# Altium PCB SmartHaloV1_ASCII.PcbDoc (part 1 of 4) (continued)
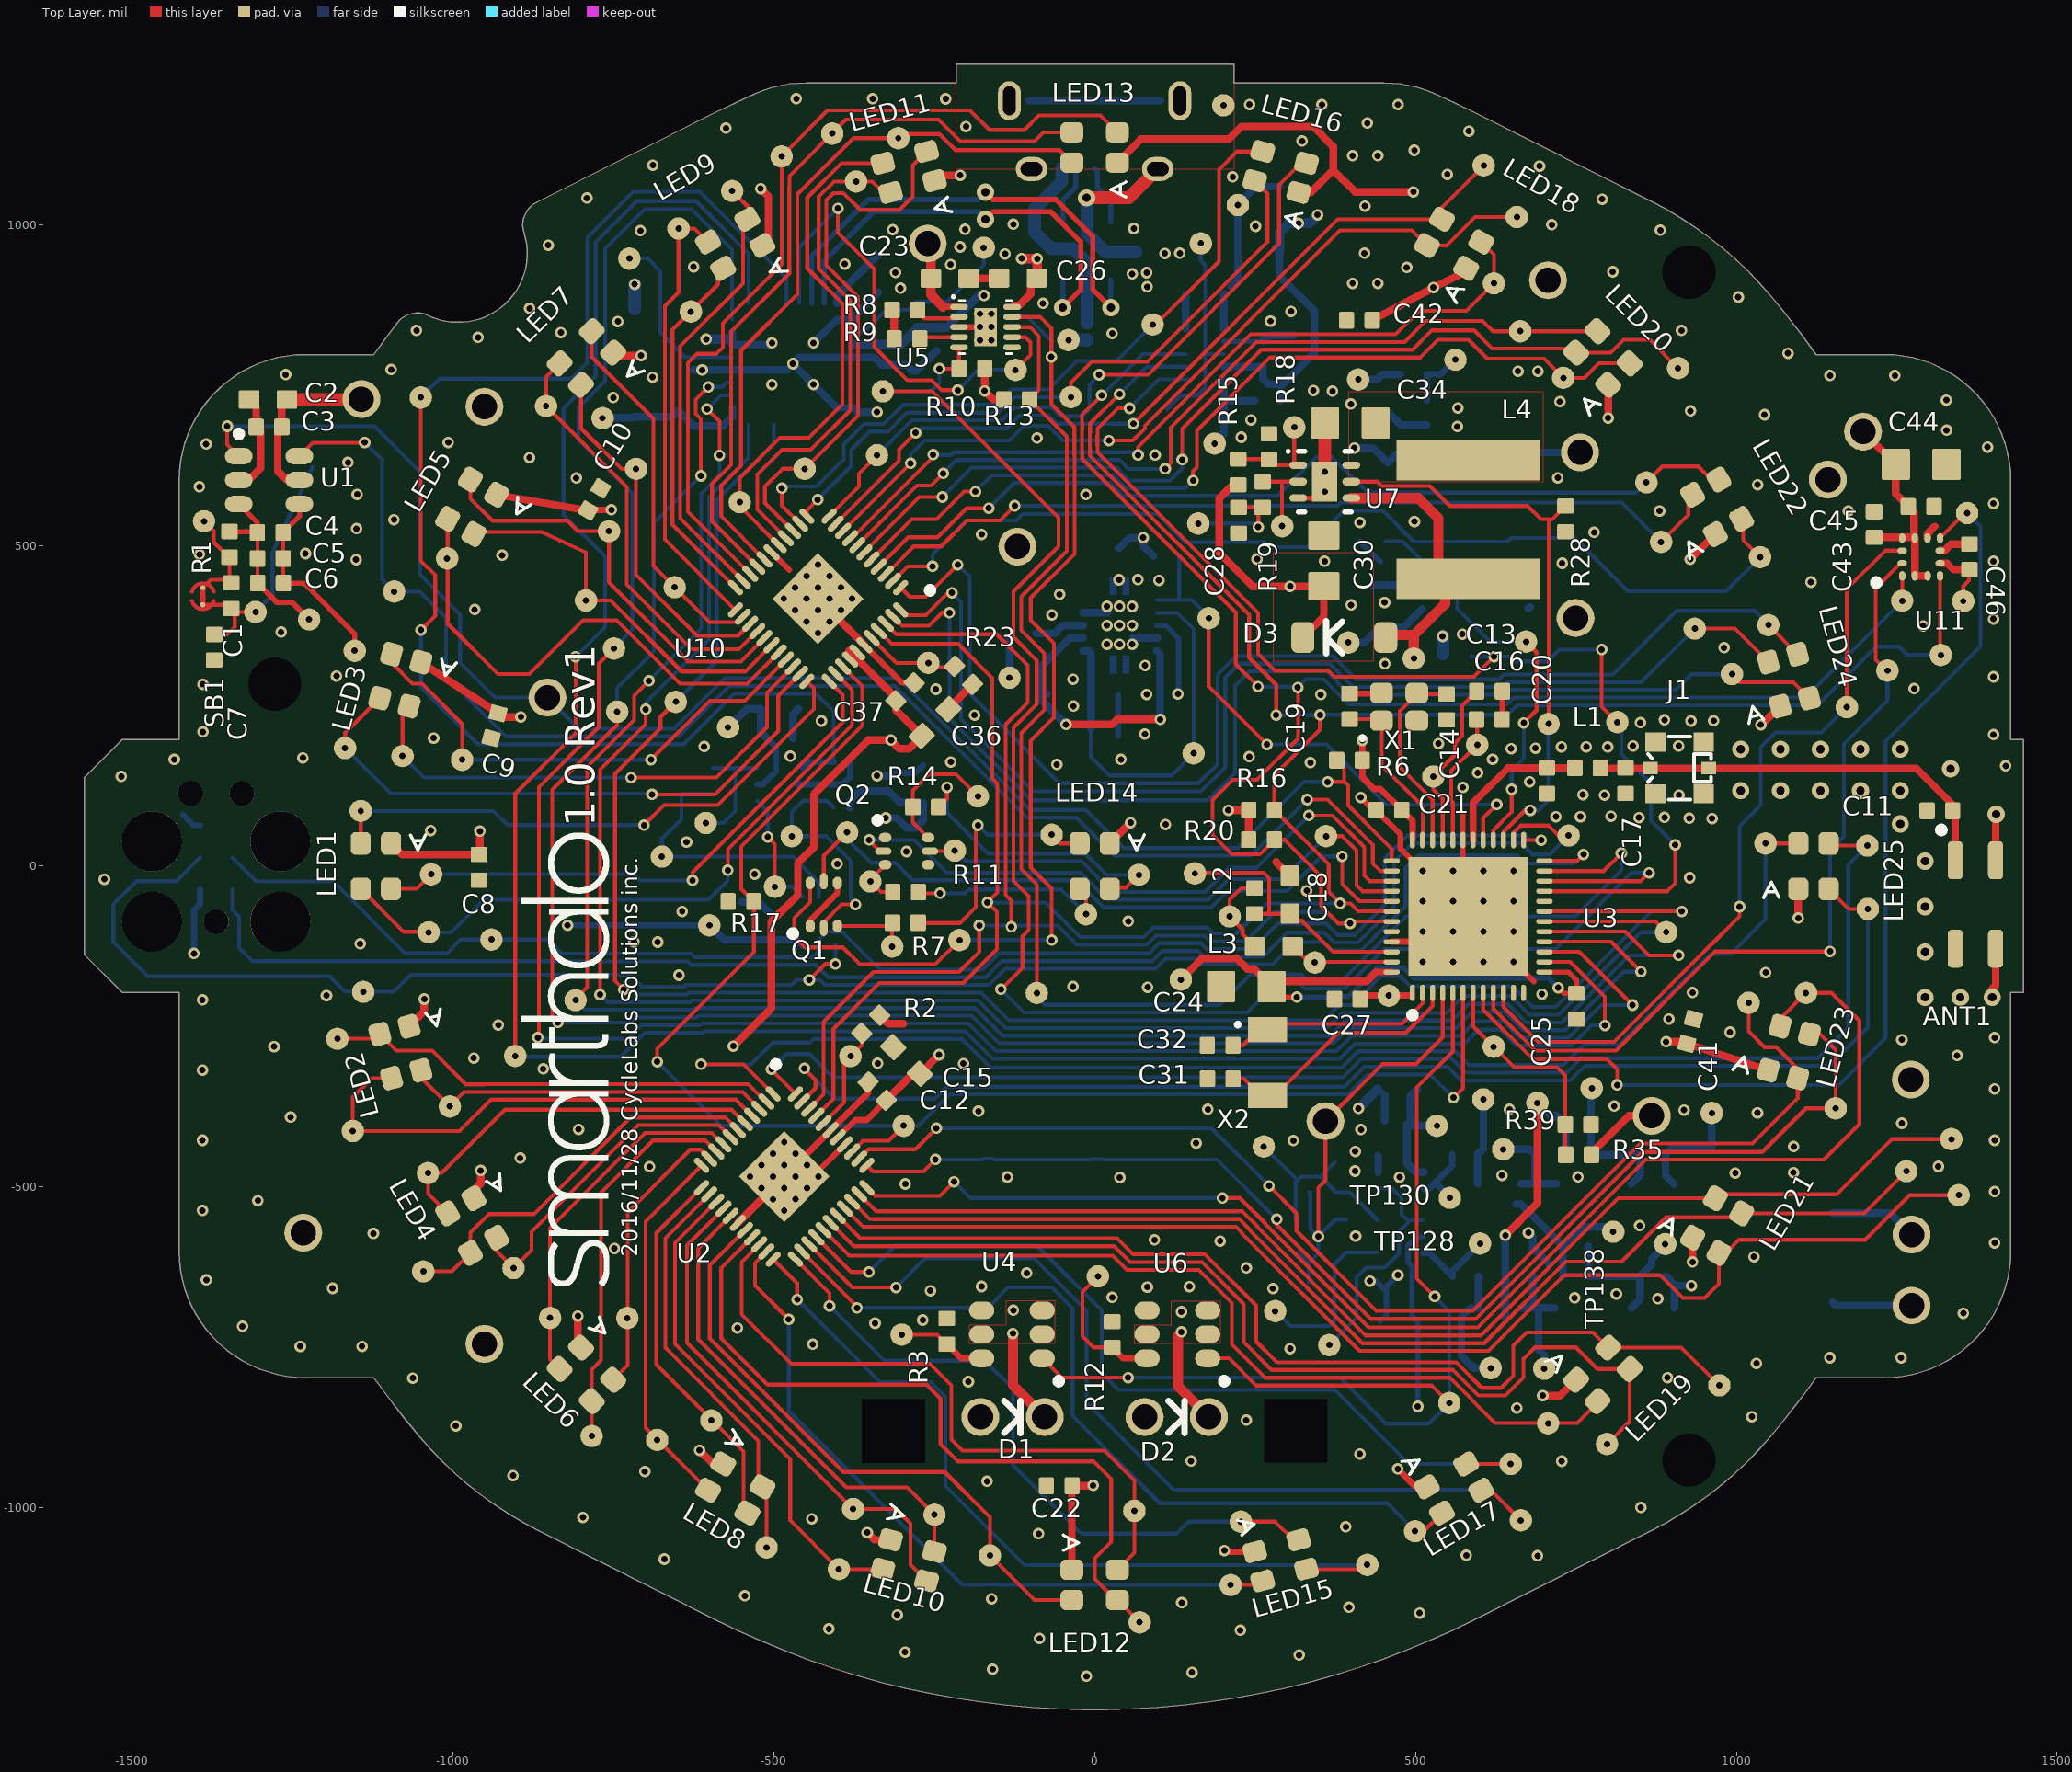
[diagram p0: Top Layer view]
## Design rules (kind name [scope] priority, off if disabled: settings) (continued)
FabricationTestpoint FabricationTestpoint_ShortComponents [((IsPad And (OnTopLayer Or OnBottomLayer)) Or (IsVia) Or (IsPad And OnMultiLayer)) And (IsComponent And (Height < 150))] p2: side=2 testpointundercomponent=TRUE minsize=35 maxsize=59.06 preferedsize=35 minholesize=0 maxholesize=39.37 preferedholesize=10 testpointgrid=1 allowsidebottom=TRUE usegrid=FALSE gridtolerance=0.01 minspacing=83 compbodyclearance=40
FabricationTestpoint FabricationTestpoint_TallComponents [(IsPad And (OnTopLayer Or OnBottomLayer)) Or (IsVia) Or (IsPad And OnMultiLayer)] p3: side=2 testpointundercomponent=TRUE minsize=35 maxsize=59.06 preferedsize=35 minholesize=0 maxholesize=39.37 preferedholesize=10 testpointgrid=1 allowsidebottom=TRUE usegrid=FALSE gridoriginx=2810.98 gridoriginy=2760.98 gridtolerance=0.01 minspacing=83 compbodyclearance=55
FanoutControl Fanout_BGA [All] p0 off: scope1count=1 scope1_0_kind=Board scope1_0_value=Board scope2count=1 scope2_0_kind=Board scope2_0_value=Board commentlength=69 // Protel DXP Scope 1 Expression Was: IsBGA   Fanout_BGA (Default Rule)
FanoutControl Fanout_LCC [All] p0 off: scope1count=1 scope1_0_kind=Board scope1_0_value=Board scope2count=1 scope2_0_kind=Board scope2_0_value=Board commentlength=69 // Protel DXP Scope 1 Expression Was: IsLCC   Fanout_LCC (Default Rule)
FanoutControl Fanout_SOIC [All] p0 off: scope1count=1 scope1_0_kind=Board scope1_0_value=Board scope2count=1 scope2_0_kind=Board scope2_0_value=Board commentlength=71 // Protel DXP Scope 1 Expression Was: IsSOIC   Fanout_SOIC (Default Rule)
FanoutControl Fanout_Small [All] p0 off: scope1count=1 scope1_0_kind=Board scope1_0_value=Board scope2count=1 scope2_0_kind=Board scope2_0_value=Board commentlength=84 // Protel DXP Scope 1 Expression Was: (CompPinCount < 5)   Fanout_Small (Default Rule)
FanoutControl Fanout_Default [All] p0: scope1count=1 scope1_0_kind=Board scope1_0_value=Board scope2count=1 scope2_0_kind=Board scope2_0_value=Board commentlength=30 // Fanout_Default (Default Rule)
FanoutControl Fanout_LCC [IsLCC] p1: bgadir=Out bgaviamode=Centered fanoutstyle=Auto fanoutdirection=Alternating viagrid=1 // Fanout_LCC (Default Rule)
FanoutControl Fanout_BGA [IsBGA] p2: bgadir=Out bgaviamode=Centered fanoutstyle=Auto fanoutdirection=Alternating viagrid=1 // Fanout_BGA (Default Rule)
FanoutControl Fanout_Small [(CompPinCount < 5)] p3: bgadir=Out bgaviamode=Centered fanoutstyle=Auto fanoutdirection=OutThenIn viagrid=1 // Fanout_Small (Default Rule)
FanoutControl Fanout_SOIC [IsSOIC] p4: bgadir=Out bgaviamode=Centered fanoutstyle=Auto fanoutdirection=Alternating viagrid=1 // Fanout_SOIC (Default Rule)
Height HeightBottom [All] p0 off: scope1count=1 scope1_0_kind=Board scope1_0_value=Board scope2count=1 scope2_0_kind=Board scope2_0_value=Board commentlength=65 // Protel DXP Scope 1 Expression Was: TouchesRoom('BatteryRoom')
Height HeightTop [All] p0 off: scope1count=1 scope1_0_kind=Board scope1_0_value=Board scope2count=1 scope2_0_kind=Board scope2_0_value=Board commentlength=44 // Protel DXP Scope 1 Expression Was: OnTop
Height HeightTop [OnTop] p1: minheight=0 maxheight=84.25 prefheight=78.74
Height HeightBottom [TouchesRoom('BatteryRoom')] p2: minheight=0 maxheight=78.74 prefheight=39.37
HoleSize [All] p0: scope1count=1 scope1_0_kind=Board scope1_0_value=Board scope2count=1 scope2_0_kind=Board scope2_0_value=Board commentlength=0 absolutevalues=TRUE maxlimit=100 minlimit=10 maxpercent=80.000 minpercent=20.000
HoleSize [All] p1: absolutevalues=TRUE maxlimit=100 minlimit=10 maxpercent=80.000 minpercent=20.000
HoleToHoleClearance [All] p0: scope1count=1 scope1_0_kind=Board scope1_0_value=Board scope2count=1 scope2_0_kind=Board scope2_0_value=Board commentlength=0
HoleToHoleClearance [All] p1: gap=6 allowstackedmicrovias=TRUE
LayerPairs [All] p0: scope1count=1 scope1_0_kind=Board scope1_0_value=Board scope2count=1 scope2_0_kind=Board scope2_0_value=Board commentlength=0 enforce=TRUE
MinimumAnnularRing [All] p0: scope1count=1 scope1_0_kind=Board scope1_0_value=Board scope2count=1 scope2_0_kind=Board scope2_0_value=Board commentlength=0 minimumring=4
MinimumAnnularRing [All] p1: minimumring=4
MinimumSolderMaskSliver MinimumSolderMaskSliver_QFN_DFN_2 [All] p0 off: scope1count=1 scope1_0_kind=Board scope1_0_value=Board scope2count=1 scope2_0_kind=Board scope2_0_value=Board commentlength=73 // Protel DXP Scope 2 Expression Was: IsPad And (HasFootprint('QFN-44'))
MinimumSolderMaskSliver [All] p0: scope1count=1 scope1_0_kind=Board scope1_0_value=Board scope2count=1 scope2_0_kind=Board scope2_0_value=Board commentlength=0
MinimumSolderMaskSliver MinimumSolderMaskSliver_QFN_DFN [All] p0 off: scope1count=1 scope1_0_kind=Board scope1_0_value=Board scope2count=1 scope2_0_kind=Board scope2_0_value=Board commentlength=109 // Protel DXP Scope 2 Expression Was: IsVia And (HasFootprint('DSQ10-1500X900TP') Or HasFootprint('QFN-44'))
MinimumSolderMaskSliver MinimumSolderMaskSliver_QFN_DFN_1 [All] p0 off: scope1count=1 scope1_0_kind=Board scope1_0_value=Board scope2count=1 scope2_0_kind=Board scope2_0_value=Board commentlength=270 // Protel DXP Scope 2 Expression Was: HasFootprint('QFN40P600X600X90-48N') Or HasFootprint('DSQ10-1500X900TP') Or HasFootprint('DRC10-2400X1650TP') Or HasFootprint('DRV6-1600X1000TP') Or HasFootprint('WDFN8') Or HasFootprint('59453061110ECHLF') Or HasFootprint('DFN10')
MinimumSolderMaskSliver MinimumSolderMaskSliver_QFN_DFN [IsVia And (HasFootprint('DSQ10-1500X900TP') Or HasFootprint('QFN-44')) vs IsVia And (HasFootprint('DSQ10-1500X900TP') Or HasFootprint('QFN-44'))] p1: minsoldermaskwidth=0
MinimumSolderMaskSliver MinimumSolderMaskSliver_QFN_DFN_1 [HasFootprint('QFN40P600X600X90-48N') Or HasFootprint('DSQ10-1500X900TP') Or HasFootprint('DRC10-2400X1650TP') Or HasFootprint('DRV6-1600X1000TP') Or HasFootprint('WDFN8') Or HasFootprint('59453061110ECHLF') Or HasFootprint('DFN10') vs HasFootprint('QFN40P600X600X90-48N') Or HasFootprint('DSQ10-1500X900TP') Or HasFootprint('DRC10-2400X1650TP') Or HasFootprint('DRV6-1600X1000TP') Or HasFootprint('WDFN8') Or HasFootprint('59453061110ECHLF') Or HasFootprint('DFN10')] p2: minsoldermaskwidth=0
MinimumSolderMaskSliver MinimumSolderMaskSliver_QFN_DFN_2 [IsPad And (HasFootprint('QFN-44')) vs IsPad And (HasFootprint('QFN-44'))] p3: minsoldermaskwidth=0
MinimumSolderMaskSliver [All] p4: minsoldermaskwidth=4
NetAntennae [All] p0 off: scope1count=1 scope1_0_kind=Board scope1_0_value=Board scope2count=1 scope2_0_kind=Board scope2_0_value=Board commentlength=173 // Protel DXP Scope 1 Expression Was: Not (IsVia and (InNet('VLED') Or InNet('VBZ') Or InNet('S2V8') Or InNet('VDD_NRF') Or InNet('GND') Or InNet('VBAT') Or InNet('VUSB')))
NetAntennae [Not (IsVia and (InNet('VLED') Or InNet('VBZ') Or InNet('S2V8') Or InNet('VDD_NRF') Or InNet('GND') Or InNet('VBAT') Or InNet('VUSB')))] p1: netantennaetolerance=0
PasteMaskExpansion [All] p0: scope1count=1 scope1_0_kind=Board scope1_0_value=Board scope2count=1 scope2_0_kind=Board scope2_0_value=Board commentlength=0 expansion=0
PlaneClearance [All] p0: scope1count=1 scope1_0_kind=Board scope1_0_value=Board scope2count=1 scope2_0_kind=Board scope2_0_value=Board commentlength=0 clearance=20
PlaneConnect [All] p0: scope1count=1 scope1_0_kind=Board scope1_0_value=Board scope2count=1 scope2_0_kind=Board scope2_0_value=Board commentlength=0 planeconnectstyle=Relief reliefexpansion=20 reliefentries=4 reliefconductorwidth=10 reliefairgap=10
PolygonConnect PolygonConnect_Direct [All] p0 off: scope1count=1 scope1_0_kind=Board scope1_0_value=Board scope2count=1 scope2_0_kind=Board scope2_0_value=Board commentlength=406 connectstyle=Direct reliefconductorwidth=10 reliefentries=4 polygonreliefangle="90 Angle" // Protel DXP Scope 1 Expression Was: (IsVia And InNet('GND')) Or (IsVia And InNet('VLED')) Or (InNet('VBAT') Or InNet('VUSB') Or InNet('VDD_NRF') Or InNet('VBZ') Or InNet('S2V8') Or InNet('NetD2_2') Or InNet('NetD1_2')) Or HasFootprint('QFN-44') Or HasFootprint('COAXIAL-SWF') Or InNet('BZ_OUT_P') Or InNet('BZ_OUT_N') Or InNet('NetC62_1') Or InNet('NetC63_1') Or InComponent('NT*') Or InComponent('TP*')
PolygonConnect [All] p0: scope1count=1 scope1_0_kind=Board scope1_0_value=Board scope2count=1 scope2_0_kind=Board scope2_0_value=Board commentlength=0 connectstyle=Relief reliefconductorwidth=10 reliefentries=4 polygonreliefangle="90 Angle"
PolygonConnect PolygonConnect_Direct [(IsVia And InNet('GND')) Or (IsVia And InNet('VLED')) Or (InNet('VBAT') Or InNet('VUSB') Or InNet('VDD_NRF') Or InNet('VBZ') Or InNet('S2V8') Or InNet('NetD2_2') Or InNet('NetD1_2')) Or HasFootprint('QFN-44') Or HasFootprint('COAXIAL-SWF') Or InNet('BZ_OUT_P') Or InNet('BZ_OUT_N') Or InNet('NetC62_1') Or InNet('NetC63_1') Or InComponent('NT*') Or InComponent('TP*')] p1: connectstyle=Direct reliefconductorwidth=10 reliefentries=4 polygonreliefangle="90 Angle" airgapwidth=10
PolygonConnect [All] p2: connectstyle=Relief reliefconductorwidth=10 reliefentries=4 polygonreliefangle="90 Angle" airgapwidth=10
RoomDefinition TopCentralLed [All] p0 off: scope1count=1 scope1_0_kind=Board scope1_0_value=Board scope2count=1 scope2_0_kind=Board scope2_0_value=Board commentlength=100 region_x1=25944309 region_y1=25444422 region_x2=30275017 region_y2=29775130 confinementstyle=ConfineOut // Protel DXP Scope 1 Expression Was: OnTop And Not InComponent('LED14') And Not InComponent('TP*')
RoomDefinition TopComponents [All] p0 off: scope1count=1 scope1_0_kind=Board scope1_0_value=Board scope2count=1 scope2_0_kind=Board scope2_0_value=Board commentlength=1004 region_x1=18168718 region_y1=17668831 region_x2=38050608 region_y2=37550721 confinementstyle=ConfineIn // Protel DXP Scope 1 Expression Was: OnTop And Not(InComponent('LED2') Or InComponent('LED3') Or InComponent('LED4') Or InComponent('LED5') Or InComponent('LED6') Or InComponent('LED7') Or InComponent('LED8') Or InComponent('LED9') Or InComponent('LED10') Or InComponent('LED11') Or InComponent('LED12') Or InComponent('LED13') Or InComponent('LED1') Or InComponent('LED15') Or InComponent('LED16') Or InComponent('LED17') Or InComponent('LED18') Or InComponent('LED19') Or InComponent('LED20') Or InComponent('LED21') Or InComponent('LED22') Or InComponent('LED23') Or InComponent('LED24') Or InComponent('LED25') Or InComponent('SB*') Or InComponent('TP*')Or InComponent('ANT1') Or InComponent('C7') Or InComponent('C6') Or InComponent('C5') Or InComponent('C4') Or InComponent('C46') Or InComponent('C43') Or InComponent('C45') Or InComponent('C44') Or InComponent('R1') Or InComponent('U1') Or InComponent('U11') Or InComponent('C1') Or InComponent('C2') Or InComponent('C3') Or InComponent('C11'))
RoomDefinition BatteryRoom [All] p0 off: scope1count=1 scope1_0_kind=Board scope1_0_value=Board scope2count=1 scope2_0_kind=Board scope2_0_value=Board commentlength=44 region_x1=17484843 region_y1=19437843 region_x2=42694143 region_y2=36955843 confinementstyle=ConfineOut // Protel DXP Scope 1 Expression Was: False
RoomDefinition TopCentralLed [OnTop And Not InComponent('LED14') And Not InComponent('TP*')] p1: confinementstyle=ConfineOut formatcopy=TRUE lockcomponents=FALSE outline -216.55,-0.01 ccw(c-0.02,-0.01) -0.02,-216.54 ccw(c-0.02,-0.01) 216.52,-0.01 ccw(c-0.02,-0.01) -0.02,216.53 ccw(c-0.02,-0.01)
RoomDefinition TopComponents [OnTop And Not(InComponent('LED2') Or InComponent('LED3') Or InComponent('LED4') Or InComponent('LED5') Or InComponent('LED6') Or InComponent('LED7') Or InComponent('LED8') Or InComponent('LED9') Or InComponent('LED10') Or InComponent('LED11') Or InComponent('LED12') Or InComponent('LED13') Or InComponent('LED1') Or InComponent('LED15') Or InComponent('LED16') Or InComponent('LED17') Or InComponent('LED18') Or InComponent('LED19') Or InComponent('LED20') Or InComponent('LED21') Or InComponent('LED22') Or InComponent('LED23') Or InComponent('LED24') Or InComponent('LED25') Or InComponent('SB*') Or InComponent('TP*')Or InComponent('ANT1') Or InComponent('C7') Or InComponent('C6') Or InComponent('C5') Or InComponent('C4') Or InComponent('C46') Or InComponent('C43') Or InComponent('C45') Or InComponent('C44') Or InComponent('R1') Or InComponent('U1') Or InComponent('U11') Or InComponent('C1') Or InComponent('C2') Or InComponent('C3') Or InComponent('C11'))] p2: confinementstyle=ConfineIn formatcopy=TRUE lockcomponents=FALSE outline -994.11,-0.01 ccw(c-0.02,-0.01) -0.02,-994.1 ccw(c-0.02,-0.01) 994.08,-0.01 ccw(c-0.02,-0.01) -0.02,994.09 ccw(c-0.02,-0.01)
RoomDefinition BatteryRoom [False] p3: confinementstyle=ConfineOut formatcopy=TRUE lockcomponents=FALSE outline -1062.5,-817.2 -1062.5,934.6 1458.43,934.6 1458.43,-817.2
RoutingCorners [All] p0: scope1count=1 scope1_0_kind=Board scope1_0_value=Board scope2count=1 scope2_0_kind=Board scope2_0_value=Board commentlength=0 cornerstyle=45-Degree minsetback=100 maxsetback=100
RoutingLayers [All] p0: scope1count=1 scope1_0_kind=Board scope1_0_value=Board scope2count=1 scope2_0_kind=Board scope2_0_value=Board commentlength=0 top layer=Automatic mid layer 1="Not Used" mid layer 2="Not Used" bottom layer=Automatic
RoutingPriority [All] p0: scope1count=1 scope1_0_kind=Board scope1_0_value=Board scope2count=1 scope2_0_kind=Board scope2_0_value=Board commentlength=0
RoutingTopology [All] p0: scope1count=1 scope1_0_kind=Board scope1_0_value=Board scope2count=1 scope2_0_kind=Board scope2_0_value=Board commentlength=0 topology=Shortest
RoutingVias [All] p0: scope1count=1 scope1_0_kind=Board scope1_0_value=Board scope2count=1 scope2_0_kind=Board scope2_0_value=Board commentlength=0 holewidth=13 width=27 viastyle="Through Hole" minholewidth=10 minwidth=18 maxholewidth=28 maxwidth=50
RoutingVias [All] p1: holewidth=13 width=27 viastyle="Through Hole" minholewidth=10 minwidth=18 maxholewidth=28 maxwidth=50
ShortCircuit [All] p0: scope1count=1 scope1_0_kind=Board scope1_0_value=Board scope2count=1 scope2_0_kind=Board scope2_0_value=Board commentlength=0 allowed=FALSE
SilkToBoardRegionClearance SilkToBoardRegionClearance_1 [All] p0: scope1count=1 scope1_0_kind=Board scope1_0_value=Board scope2count=1 scope2_0_kind=Board scope2_0_value=Board commentlength=0
SilkToBoardRegionClearance [All] p0: scope1count=1 scope1_0_kind=Board scope1_0_value=Board scope2count=1 scope2_0_kind=Board scope2_0_value=Board commentlength=0
SilkToBoardRegionClearance SilkToBoardRegionClearance_1 [All] p2:
SilkToSilkClearance [All] p0: scope1count=1 scope1_0_kind=Board scope1_0_value=Board scope2count=1 scope2_0_kind=Board scope2_0_value=Board commentlength=0
SilkToSolderMaskClearance [All] p0 off: scope1count=1 scope1_0_kind=Board scope1_0_value=Board scope2count=1 scope2_0_kind=Board scope2_0_value=Board commentlength=44 // Protel DXP Scope 1 Expression Was: IsPad
SolderMaskExpansion [All] p0: scope1count=1 scope1_0_kind=Board scope1_0_value=Board scope2count=1 scope2_0_kind=Board scope2_0_value=Board commentlength=0 expansion=0
SolderMaskExpansion [All] p1: expansion=0
UnRoutedNet [All] p0: scope1count=1 scope1_0_kind=Board scope1_0_value=Board scope2count=1 scope2_0_kind=Board scope2_0_value=Board commentlength=0
UnpouredPolygon [All] p0: scope1count=1 scope1_0_kind=Board scope1_0_value=Board scope2count=1 scope2_0_kind=Board scope2_0_value=Board commentlength=0
Width Width_RF [All] p0 off: scope1count=1 scope1_0_kind=Board scope1_0_value=Board scope2count=1 scope2_0_kind=Board scope2_0_value=Board commentlength=87 maxlimit=20 minlimit=10.43 preferedwidth=15 // Protel DXP Scope 1 Expression Was: InNet('ANT') Or InNet('RF') Or InNet('NetC17_2')
Width Width_Power [All] p0 off: scope1count=1 scope1_0_kind=Board scope1_0_value=Board scope2count=1 scope2_0_kind=Board scope2_0_value=Board commentlength=259 maxlimit=50 minlimit=8 preferedwidth=12 // Protel DXP Scope 1 Expression Was: InNet('VBAT') Or InNet('VLED') Or InNet('VBZ') Or InNet('VDD_NRF') Or InNet('S2V8') Or InNet('AVDD') Or InNet('GND') Or InNet('AGND') Or InNet('PGND') Or InNet('DGND') Or InNet('VUSB') Or InNet('VBUS') Or InNet('USBGND')
Width [All] p0: scope1count=1 scope1_0_kind=Board scope1_0_value=Board scope2count=1 scope2_0_kind=Board scope2_0_value=Board commentlength=0 maxlimit=16 minlimit=6 preferedwidth=6
Width Width_RF [InNet('ANT') Or InNet('RF') Or InNet('NetC17_2')] p1 off: maxlimit=20 minlimit=10.43 preferedwidth=15 toplayer_maxwidth=10.43 toplayer_prefwidth=10.43 midlayer1_minwidth=12 midlayer2_minwidth=12 bottomlayer_maxwidth=10.43 bottomlayer_prefwidth=10.43 impedancedriven=TRUE minimp=0.000000 maximp=500.000000 favimp=200.000000
Width Width_Power [InNet('VBAT') Or InNet('VLED') Or InNet('VBZ') Or InNet('VDD_NRF') Or InNet('S2V8') Or InNet('AVDD') Or InNet('GND') Or InNet('AGND') Or InNet('PGND') Or InNet('DGND') Or InNet('VUSB') Or InNet('VBUS') Or InNet('USBGND')] p2: maxlimit=50 minlimit=8 preferedwidth=12
Width [All] p3: maxlimit=16 minlimit=6 preferedwidth=6
15 further rules are at their usual default settings.

## Classes and differential pairs
component class U_6_MISC: C56 C57 C58 C59 C60 C64 C65 C66 C67 C68 C69 C70 C? J5 NT1 NT6 Q1 R26 R32 R33 R36 R37 TP86 TP114 TP148 TP151 TP152 TP153 TP154 TP155 TP176 U16 U17 U18 U19 U20
component class U_4_LEDDRIVERS: C12 C15 C36 C37 D1 D2 Q2 R2 R3 R7 R11 R12 R14 R23 TP96 TP97 TP98 TP107 TP108 TP109 TP110 TP112 TP113 TP156 TP157 U2 U4 U6 U10
component class U_7_ALARM: C29 C33 C35 C38 C39 C40 C62 C63 C71 C? D4 J2 J3 Q3 Q4 Q5 Q6 Q7 Q8 R5 R21 R22 R24 R25 R27 R40 R41 R42 R43 TP125 TP126 TP127 TP128 TP129 TP130 TP131 TP132 TP133 TP134 TP135 TP136 TP137 TP138 TP139 TP140 U8 U9
component class U_3_BLE: ANT1 C11 C13 C14 C16 C17 C18 C19 C20 C21 C24 C25 C27 C31 C32 J1 J7 L1 L2 L3 L6 L7 R6 R10 R13 R16 R17 R20 R28 R29 R30 R31 R35 R39 TP62 TP63 TP77 TP78 TP79 TP115 TP142 TP143 TP144 TP145 TP146 TP147 TP149 TP150 TP158 TP159 TP160 TP161 TP162 TP163 TP164 TP165 TP167 TP168 TP178 U3 X1 X2
component class U_2_PWR: C23 C26 C28 C30 C34 C47 C48 C49 C50 C51 C52 C53 C54 C55 C61 C? D3 J4 L4 L5 R4 R8 R9 R15 R18 R19 R34 R38 RSENSE1 RT1 TP1 TP2 TP3 TP4 TP5 TP6 TP7 TP8 TP9 TP10 TP11 TP12 TP13 TP14 TP15 TP16 TP17 TP18 TP19 TP20 TP21 TP22 TP111 TP166 TP169 TP170 TP171 TP172 TP173 TP174 TP175 TP177 TP179 U5 U7 U12 U13 U14 U15
component class U_5_SENSORS: C1 C2 C3 C4 C5 C6 C7 C43 C44 C45 C46 C? J6 R1 SB1 TP64 TP65 TP75 TP76 TP100 TP101 TP102 TP103 TP104 TP141 U1 U11
component class U_8_LEDS: C8 C9 C10 C22 C41 C42 LED1 LED2 LED3 LED4 LED5 LED6 LED7 LED8 LED9 LED10 LED11 LED12 LED13 LED14 LED15 LED16 LED17 LED18 LED19 LED20 LED21 LED22 LED23 LED24 LED25 TP23 TP24 TP25 TP26 TP27 TP28 TP29 TP30 TP31 TP32 TP33 TP34 TP35 TP36 TP37 TP38 TP39 TP40 TP41 TP42 TP43 TP44 TP45 TP46 TP47 TP48 TP49 TP50 TP51 TP52 TP53 TP54 TP55 TP56 TP57 TP58 TP59 TP60 TP61 TP66 TP67 TP68 TP69 TP70 TP71 TP72 TP73 TP74 TP80 TP81 TP82 TP83 TP84 TP85 TP87 TP88 TP89 TP90 TP91 TP92 TP93 TP94 TP95 TP99 TP105 TP106 TP116 TP117 TP118 TP119 TP120 TP121 TP122 TP123 TP124
differential pair USBD_IN: +USBD_IN_P -USBD_IN_N
differential pair USB_D: +USB_D_P -USB_D_N
differential pair BZR_D: +BZR_D_P -BZR_D_N
differential pair SNS: +SNS_P -SNS_N
differential pair XC: +XC_P -XC_N
differential pair " ": +XL_P -XL_N

## Components (designator, comment, footprint, x,y, rotation, side; value= is the part's Value field where it differs from the comment)
ANT1 "2450AT42E010B" 2450AT42E010B 1372.6,-59.7 r90 top
C1 "DNP" Varitron_CAP0402 -1345.6,421.5 r90 top
C2 "1.0 uF" Varitron_CAP0603 -1288.2,727.2 r180 top
C3 "100 nF" Varitron_CAP0402 -1286.7,684.5 r180 top
C4 "10.0 nF" VARITRON_CAP0402 -1284.74,519.92 r0 top
C5 "DNP" VARITRON_CAP0402 -1284.64,479.39 r0 top
C6 "DNP" VARITRON_CAP0402 -1284.3,441.1 r0 top
C7 "DNP" VARITRON_CAP0402 -1372.1,341.1 r270 top
C8 "100 nF" Varitron_CAP0402 -959.29,-1.93 r270 top
C9 "100 nF" VARITRON_CAP0402 -935.11,218.87 r255 top
C10 "100 nF" Varitron_CAP0402 -779.6,571.6 r60 top
C11 "1.2 pF" VARITRON_CAP0402 1317.2,86.3 r0 top
C12 "100 nF" VARITRON_CAP0402 -338.96,-350.69 r135 top
C13 "100 pF" VARITRON_CAP0402 615.4,272.6 r0 top
C14 "12 pF" VARITRON_CAP0402 548.4,248.1 r270 top
C15 "1.0 uF" VARITRON_CAP0603 -293.08,-302.94 r135 top
C16 "DNP" VARITRON_CAP0402 615,228.5 r0 top
C17 "DNP" VARITRON_CAP0402 827.3,133.3 r90 top
C18 "1.0 uF" VARITRON_CAP0603 304.4,-44.5 r90 top
C19 "12 pF" VARITRON_CAP0402 397.1,249.1 r90 top
C20 "0.8 pF" VARITRON_CAP0402 704.7,133.1 r90 top
C21 "100 nF" VARITRON_CAP0402 458.8,87.2 r180 top
C22 "100 nF" Varitron_CAP0402 -55.1,-965.7 r180 top
C23 "4.7 uF" VARITRON_CAP0603 -225.7,915.9 r0 top
C24 "4.7 uF" VARITRON_CAP0805 236.4,-187.8 r180 top
C25 "100 nF" VARITRON_CAP0402 750.6,-218.4 r270 top
C26 "4.7 uF" VARITRON_CAP0603 -119.4,916.2 r180 top
C27 "100 nF" VARITRON_CAP0402 393.8,-207.3 r180 top
C28 "680 pF" VARITRON_CAP0402 224.3,539.2 r270 top
C29 "1.0 uF" VARITRON_CAP0603 473.3,-348 r180 bottom
C30 "4.7 uF" VARITRON_CAP0805 357.2,475.7 r90 top
C31 "12 pF" VARITRON_CAP0402 195.8,-331.3 r0 top
C32 "12 pF" VARITRON_CAP0402 195.6,-279.2 r0 top
C33 "100 nF" VARITRON_CAP0402 472.01,-396.81 r180 bottom
C34 "4.7 uF" VARITRON_CAP0805 398.5,690.7 r180 top
C35 "1 nF" VARITRON_CAP0402 354,-461.8 r180 bottom
C36 "1.0 uF" VARITRON_CAP0603 -248.52,223.94 r45 top
C37 "100 nF" VARITRON_CAP0402 -295.6,271.71 r45 top
C38 "100 nF" VARITRON_CAP0402 474.65,-662.75 r180 bottom
C39 "1 nF" VARITRON_CAP0402 354.1,-690 r180 bottom
C40 "1.0 uF" VARITRON_CAP0603 474.3,-710 r180 bottom
C41 "100 nF" Varitron_CAP0402 928.06,-257.4 r75 top
C42 "100 nF" Varitron_CAP0402 412.5,850.9 r180 top
C43 "100 nF" VARITRON_CAP0402 1214.6,532.5 r90 top
C44 "10 uF" VARITRON_CAP0805 1287.98,626.23 r0 top
C45 "100 nF" VARITRON_CAP0402 1287.98,560.52 r0 top
C46 "220 nF" VARITRON_CAP0402 1363.1,482 r90 top
C47 "10 uF" Varitron_CAP0805 675.8,441 r90 bottom
C48 "10 uF" Varitron_CAP0805 444.8,412 r90 bottom
C49 "10 uF" VARITRON_CAP0805 675.8,687 r90 bottom
C50 "1.0 uF" Varitron_CAP0603 310.4,797.5 r90 bottom
C51 "100 nF" Varitron_CAP0402 262.4,798.5 r90 bottom
C52 "10 uF" VARITRON_CAP0805 457.18,667.84 r90 bottom
C53 "47 uF" Varitron_CAP1206 -22.5,268.1 r0 bottom
C54 "10 uF" VARITRON_CAP0805 -2.1,495.2 r0 bottom
C55 "100 nF" VARITRON_CAP0402 16.7,203.1 r0 bottom
C56 "4.7 uF" VARITRON_CAP0603 -284,801.5 r270 bottom
C57 "1.0 uF" VARITRON_CAP0603 -337.1,923.8 r270 bottom
C58 "100 nF" VARITRON_CAP0402 -332.3,801.4 r270 bottom
C59 "100 nF" Varitron_CAP0402 -649.1,729.9 r90 bottom
C60 "4.7 uF" Varitron_CAP0603 -717.9,729.7 r90 bottom
C61 "220 nF" Varitron_CAP0402 181.1,710.5 r180 bottom
C62 "DNP" Varitron_CAP0402 749.8,-592 r0 bottom
C63 "DNP" Varitron_CAP0402 753.6,-402.9 r0 bottom
C64 "220 nF" Varitron_CAP0402 -644,132.7 r270 bottom
C65 "100 nF" Varitron_CAP0402 -309.53,125.1 r90 bottom
C66 "1.0 uF" Varitron_CAP0603 -267.33,128.3 r90 bottom
C67 "100 nF" Varitron_CAP0402 -490.4,199.1 r0 bottom
C68 "1.0 uF" Varitron_CAP0603 -491,245.5 r0 bottom
C69 "100 nF" Varitron_CAP0402 -505.4,-93.6 r90 bottom
C70 "1.0 uF" Varitron_CAP0603 -550.17,-85.3 r90 bottom
C71 "4.7 uF" Varitron_CAP0805 1001.3,-438.1 r0 bottom
D1 "C503D-WAN-CDaEa232-0AH" FRONTLED_PADS -127.95,-858.39 r0 top locked
D2 "C503D-WAN-CDaEa232-0AH" FRONTLED_PADS 127.95,-858.39 r0 top locked
D3 "MBR0540T1G" ONSC-SOD-123-2-425-04_V 389,356.6 r0 top
D4 "BAS21DW5T1G" SC70-5 354.51,-576.44 r90 bottom
J1 "DNP" COAXIAL-SWF 911.4,153 r90 top
J2 "709296001002006" 709296001002006 1071.1,-679.2 r0 bottom locked
J3 "709296001002006" 709296001002006 1071.1,-541 r0 bottom locked
J4 "BM02(3)B-ADHSS-GAN-ETB" BM02(3)B-ADHSS-GAN-ETB 287.8,1007.87 r180 bottom locked
J5 "10118194-0001LF" 10118194-0001LF 0,1087.6 r0 bottom locked
J6 "59453-061110ECHLF" 59453061110ECHLF -1239.53,578.11 r245 bottom locked
J7 "#NAME?" JLINK_6PIN_NEEDLE_ADAPTER -1368.9,13.6 r90 bottom locked
L1 "3.9 nH" VARITRON_IND0402 768.3,153 r0 top
L2 "15 nH" VARITRON_IND0402 249.1,-54.3 r90 top
L3 "10 uH" VARITRON_IND0603 279.2,-125.2 r0 top
L4 "10 uH" SRN5020-100M 582.6,540.3 r270 top
L5 "2.2 uH" SRN3015-2R2M -130.1,400.6 r270 bottom
LED1 "LTSN-N213EGBW" LTSN-N213EGBW -1120.08,0 r180 top locked
LED2 "LTSN-N213EGBW" LTSN-N213EGBW -1081.93,-289.92 r195 top locked
LED3 "LTSN-N213EGBW" LTSN-N213EGBW -1081.93,289.88 r165 top locked
LED4 "LTSN-N213EGBW" LTSN-N213EGBW -970.04,-560.04 r210 top locked
LED5 "LTSN-N213EGBW" LTSN-N213EGBW -970.04,560.04 r150 top locked
LED6 "LTSN-N213EGBW" LTSN-N213EGBW -792.05,-792.01 r225 top locked
LED7 "LTSN-N213EGBW" LTSN-N213EGBW -792.05,792.01 r135 top locked
LED8 "LTSN-N213EGBW" LTSN-N213EGBW -560.04,-970.04 r240 top
LED9 "LTSN-N213EGBW" LTSN-N213EGBW -560.04,970 r120 top locked
LED10 "LTSN-N213EGBW" LTSN-N213EGBW -289.92,-1081.93 r255 top locked
LED11 "LTSN-N213EGBW" LTSN-N213EGBW -289.92,1081.89 r105 top locked
LED12 "LTSN-N213EGBW" LTSN-N213EGBW 0,-1120.08 r270 top
LED13 "LTSN-N213EGBW" LTSN-N213EGBW 0,1120.08 r90 top locked
LED14 "LTSN-N213EGBW" LTSN-N213EGBW 0,0 r180 top locked
LED15 "LTSN-N213EGBW" LTSN-N213EGBW 289.88,-1081.93 r285 top
LED16 "LTSN-N213EGBW" LTSN-N213EGBW 289.88,1081.89 r75 top locked
LED17 "LTSN-N213EGBW" LTSN-N213EGBW 560.04,-970.04 r300 top locked
LED18 "LTSN-N213EGBW" LTSN-N213EGBW 560.04,970 r60 top locked
LED19 "LTSN-N213EGBW" LTSN-N213EGBW 792.01,-792.01 r315 top locked
LED20 "LTSN-N213EGBW" LTSN-N213EGBW 792.01,792.01 r45 top locked
LED21 "LTSN-N213EGBW" LTSN-N213EGBW 970,-560.04 r330 top locked
LED22 "LTSN-N213EGBW" LTSN-N213EGBW 970,560.04 r30 top locked
LED23 "LTSN-N213EGBW" LTSN-N213EGBW 1081.89,-289.92 r345 top locked
LED24 "LTSN-N213EGBW" LTSN-N213EGBW 1081.89,289.88 r15 top locked
LED25 "LTSN-N213EGBW" LTSN-N213EGBW 1120.08,0 r0 top locked
NT1 "NetTiePWR" NetTiePWR -2.1,850.1 r270 bottom net-tie
NT6 "NetTiePWR" NetTiePWR 60.3,967 r0 bottom net-tie
Q1 "NX3020NAKV" SOT666 -422.1,-59.7 r90 top
Q2 "NX3020NAKV" SOT666 -293,23.4 r0 top
Q3 "DSS5140V" SOT563 870,-708.1 r90 bottom
Q4 "DSS5140V" SOT563 869.6,-515.4 r90 bottom
Q5 "DSS4240V" SOT563 630.5,-514.6 r90 bottom
Q6 "DSS4240V" SOT563 631.4,-708.4 r90 bottom
Q7 "DSS4240V" SOT563 750.6,-708.2 r90 bottom
Q8 "DSS4240V" SOT563 753.4,-515.2 r90 bottom
R1 "2k Ohm" VARITRON_RES0402 -1348.2,501.5 r270 top
R2 "3.9k Ohm" VARITRON_RES0402 -349,-246.24 r45 top
R3 "100 Ohm" VARITRON_RES0402 -230.61,-724.88 r270 top
R4 "100k Ohm" VARITRON_RES0402 496.9,766.5 r180 bottom
R5 "3.3k Ohm" Varitron_RES0402 870,-639.3 r0 bottom
R6 "DNP" VARITRON_RES0402 397.2,165.1 r0 top
R7 "160 Ohm" VARITRON_RES0402 -295,-88.2 r0 top
R8 "560 Ohm" VARITRON_RES0402 -295.8,866.8 r180 top
R9 "1k Ohm" VARITRON_RES0402 -292.4,822.1 r180 top
R10 "DNP" VARITRON_RES0402 -191.4,775.3 r0 top
R11 "110 Ohm" VARITRON_RES0402 -294.6,-40.4 r0 top
R12 "100 Ohm" VARITRON_RES0402 27.24,-730.06 r270 top
R13 "DNP" VARITRON_RES0402 -121.4,727.4 r0 top
R14 "110 Ohm" VARITRON_RES0402 -263.3,92.2 r0 top
R15 "510k Ohm" VARITRON_RES0402 223.6,614.3 r270 top
R16 "4.7k Ohm" VARITRON_RES0402 260.2,87.2 r180 top
R17 "100k Ohm" VARITRON_RES0402 -551.1,-55 r0 top
R18 "33k Ohm" VARITRON_RES0402 271.8,653.8 r270 top
R19 "10k Ohm" VARITRON_RES0402 261.7,579.1 r270 top
R20 "4.7k Ohm" VARITRON_RES0402 260.2,41.2 r180 top
R21 "3.3k Ohm" Varitron_RES0402 869.6,-449.7 r0 bottom
R22 "3.3k Ohm" Varitron_RES0402 749.8,-639.1 r0 bottom
R23 "3.9k Ohm" VARITRON_RES0402 -204.16,297.46 r315 top
R24 "1.8k Ohm" VARITRON_RES0402 354.1,-508 r180 bottom
R25 "3.3k Ohm" Varitron_RES0402 753.5,-449.7 r0 bottom
R26 "100k Ohm" Varitron_RES0402 -595.7,132.7 r90 bottom
R27 "1.8k Ohm" VARITRON_RES0402 353.62,-649.26 r180 bottom
R28 "100k Ohm" VARITRON_RES0402 733.8,541.2 r270 top
R29 "100k Ohm" VARITRON_RES0402 433.2,506.5 r0 bottom
R30 "DNP" Varitron_RES0402 562.7,330.7 r180 bottom
R31 "100k Ohm" VARITRON_RES0402 111.8,482.8 r0 bottom
R32 "10k Ohm" VARITRON_RES0402 -234.3,863.7 r270 bottom
R33 "12k Ohm" VARITRON_RES0402 -278.3,899.4 r270 bottom
R34 "1k Ohm" Varitron_RES0402 113,691.9 r90 bottom
R35 "75k Ohm" Varitron_RES0402 754.1,-449.8 r0 top
R36 "12k Ohm" Varitron_RES0402 -696.7,868.3 r180 bottom
R37 "12k Ohm" Varitron_RES0402 -696.3,831 r180 bottom
R38 "1k Ohm" Varitron_RES0402 269.7,725.5 r180 bottom
R39 "12k Ohm" Varitron_RES0402 753.5,-402.9 r180 top
R40 "10k Ohm" Varitron_RES0402 577,-448.9 r180 bottom
R41 "10k Ohm" Varitron_RES0402 578.2,-639.7 r180 bottom
R42 "3.3k Ohm" Varitron_RES0402 682.8,-619.1 r90 bottom
R43 "3.3k Ohm" Varitron_RES0402 686.2,-429.6 r270 bottom
RSENSE1 "0.01 Ohm" Varitron_RES0805 171.5,901.4 r0 bottom
RT1 "NTCS0402E3103FLT" VARITRON_RES0402 -124.5,877 r270 bottom
SB1 "Solderbridge" Solderbridge_Shorted -1389.8,433.9 r270 top net-tie
TP1 "TP1" TESTPAD-TH-35mils 395.3,348.6 r180 bottom
TP2 "TP2" TESTPAD-TH-1_5mm 1142.7,602.5 r180 bottom
TP3 "TP3" TESTPAD-TH-1_5mm 868.03,-389 r180 bottom locked
TP4 "TP4" TESTPAD-TH-35mils 961.7,-384.7 r180 bottom
TP5 "TP5" TESTPAD-TH-1_5mm 1271.9,-332.6 r180 bottom
TP6 "TP6" TESTPAD-TH-1_5mm -950.9,-744.7 r180 bottom locked
TP7 "TP7" TESTPAD-TH-1_5mm -1233.2,-571.4 r180 bottom locked
TP8 "TP8" TESTPAD-TH-1_5mm -951,716 r180 bottom
TP9 "TP9" TESTPAD-TH-1_5mm 706.6,913.2 r180 bottom
TP10 "TP10" TESTPAD-TH-1_5mm 1197.42,677.3 r180 bottom
TP11 "TP11" TESTPAD-TH-1_5mm 756.5,644.9 r180 bottom
TP12 "TP12" TESTPAD-TH-35mils 134.3,-176.9 r180 bottom
TP13 "TP13" TESTPAD-TH-35mils -600.5,-92.2 r180 bottom locked
TP14 "TP14" TESTPAD-TH-35mils -571.2,216.3 r180 bottom
TP15 "TP15" TESTPAD-TH-35mils -766.8,698.2 r180 bottom
TP16 "TP16" TESTPAD-TH-1_5mm 749.4,386.6 r180 bottom
TP17 "TP17" TESTPAD-TH-35mils 533.3,-404.6 r180 bottom
TP18 "TP18" TESTPAD-TH-1_5mm -1142.7,727.9 r180 bottom locked
TP19 "TP19" TESTPAD-TH-1_5mm -260.2,970.4 r180 bottom locked
TP20 "TP20" TESTPAD-TH-35mils -40.8,819.9 r180 bottom
TP21 "TP21" TESTPAD-TH-1_5mm -120.4,498.1 r180 bottom locked
TP22 "TP22" TESTPAD-TH-35mils 410.6,758.5 r180 bottom
TP23 "TP23" TESTPAD-TH-35mils -1180.2,-269 r180 bottom locked
TP24 "TP24" TESTPAD-TH-35mils -1156.1,-412.8 r180 bottom locked
TP25 "TP25" TESTPAD-TH-35mils -1004.9,-374.4 r180 bottom locked
TP26 "TP26" TESTPAD-TH-35mils -1038.8,-478.2 r180 bottom locked
TP27 "TP27" TESTPAD-TH-35mils -1046.1,-631.5 r180 bottom locked
TP28 "TP28" TESTPAD-TH-35mils -905.5,-626.4 r180 bottom locked
TP29 "TP29" TESTPAD-TH-35mils -848.7,-704.1 r180 bottom locked
TP30 "TP30" TESTPAD-TH-35mils -783.7,-888.1 r180 bottom locked
TP31 "TP31" TESTPAD-TH-35mils -728.3,-704.3 r180 bottom locked
TP32 "TP32" TESTPAD-TH-35mils -681.8,-894.3 r180 bottom locked
TP33 "TP33" TESTPAD-TH-35mils -597.3,-863.7 r180 bottom locked
TP34 "TP34" TESTPAD-TH-35mils -511.3,-1061.8 r180 bottom locked
TP35 "TP35" TESTPAD-TH-35mils -398.62,-1095.58 r180 bottom locked
TP36 "TP36" TESTPAD-TH-35mils -376.4,-1001.9 r180 bottom locked
TP37 "TP37" TESTPAD-TH-35mils -249.58,-1010.82 r180 bottom locked
TP38 "TP38" TESTPAD-TH-35mils -163.2,-1074.3 r180 bottom locked
TP39 "TP39" TESTPAD-TH-35mils 70.1,-1178.37 r180 bottom locked
TP40 "TP40" TESTPAD-TH-35mils 61.9,-1004.8 r180 bottom locked
TP41 "TP41" TESTPAD-TH-35mils 211.9,-1120.3 r180 bottom locked
TP42 "TP42" TESTPAD-TH-35mils 424.8,-1088.8 r180 bottom locked
TP43 "TP43" TESTPAD-TH-35mils 227.7,-1021.7 r180 bottom locked
TP44 "TP44" TESTPAD-TH-35mils 499.3,-1036.4 r180 bottom locked
TP45 "TP45" TESTPAD-TH-35mils 664.1,-1019.5 r180 bottom locked
TP46 "TP46" TESTPAD-TH-35mils 648.4,-931.6 r180 bottom locked
TP47 "TP47" TESTPAD-TH-35mils 706.7,-868.3 r180 bottom locked
TP48 "TP48" TESTPAD-TH-35mils 798.5,-900.6 r180 bottom locked
TP49 "TP49" TESTPAD-TH-35mils 973.5,-809.1 r180 bottom locked
TP50 "TP50" TESTPAD-TH-35mils 1346.5,-512.8 r180 bottom locked
TP51 "TP51" TESTPAD-TH-35mils 1265,-475.3 r180 bottom locked
TP52 "TP52" TESTPAD-TH-35mils 1335,-425.5 r180 bottom locked
TP53 "TP53" TESTPAD-TH-35mils 1108.4,-197.6 r180 bottom locked
TP54 "TP54" TESTPAD-TH-35mils 1154.7,-377.4 r180 bottom locked
TP55 "TP55" TESTPAD-TH-35mils 1019.1,-213 r180 bottom locked
TP56 "TP56" TESTPAD-TH-35mils 1204.9,-66.7 r180 bottom locked
TP57 "TP57" TESTPAD-TH-35mils 1204.2,32 r180 bottom locked
TP58 "TP58" TESTPAD-TH-35mils 1045.47,35.43 r180 bottom locked
TP59 "TP59" TESTPAD-TH-35mils 1049.96,375.8 r180 bottom locked
TP60 "TP60" TESTPAD-TH-35mils 993.2,299.4 r180 bottom locked
TP61 "TP61" TESTPAD-TH-35mils 935.2,370.2 r180 bottom locked
TP62 "TP62" TESTPAD-TH-35mils 1318.7,329.1 r180 bottom locked
TP63 "TP63" TESTPAD-TH-35mils 1258.46,413.56 r180 bottom locked
TP64 "TP64" TESTPAD-TH-35mils 1235.4,304.8 r180 bottom locked
TP65 "TP65" TESTPAD-TH-35mils 1172.2,247.8 r180 bottom locked
TP66 "TP66" TESTPAD-TH-35mils 1037,481.6 r180 bottom locked
TP67 "TP67" TESTPAD-TH-35mils 859.8,598.1 r180 bottom locked
TP68 "TP68" TESTPAD-TH-35mils 882.7,505.3 r180 bottom locked
TP69 "TP69" TESTPAD-TH-35mils 663.17,833.77 r180 bottom locked
TP70 "TP70" TESTPAD-TH-35mils 909.2,776.2 r180 bottom locked
TP71 "TP71" TESTPAD-TH-35mils 730.3,761.1 r180 bottom locked
TP72 "TP72" TESTPAD-TH-35mils 622.2,908.4 r180 bottom locked
TP73 "TP73" TESTPAD-TH-35mils 657.9,1011.7 r180 bottom locked
TP74 "TP74" TESTPAD-TH-35mils 606.3,1092.1 r180 bottom locked
TP75 "TP75" TESTPAD-TH-35mils 1359.7,550.3 r180 bottom locked
TP76 "TP76" TESTPAD-TH-35mils 1353.6,413 r180 bottom locked
TP77 "TP77" TESTPAD-TH-35mils 738.5,47.8 r180 bottom locked
TP78 "TP78" TESTPAD-TH-35mils -1139.8,-195.9 r180 bottom locked
TP79 "TP79" TESTPAD-TH-35mils -940,-114.3 r180 bottom locked
TP80 "TP80" TESTPAD-TH-35mils -1037.8,-103.1 r180 bottom locked
TP81 "TP81" TESTPAD-TH-35mils -1033.9,-12.5 r180 bottom locked
TP82 "TP82" TESTPAD-TH-35mils -1143.7,86 r180 bottom locked
TP83 "TP83" TESTPAD-TH-35mils -1168.1,184.1 r180 bottom locked
TP84 "TP84" TESTPAD-TH-35mils -1078.6,171.7 r180 bottom locked
TP85 "TP85" TESTPAD-TH-35mils -985.7,165.9 r180 bottom locked
TP86 "TP86" TESTPAD-TH-35mils -1050.1,730.5 r180 bottom locked
TP87 "TP87" TESTPAD-TH-35mils -1009,479.6 r180 bottom locked
TP88 "TP88" TESTPAD-TH-35mils -792.7,414.1 r180 bottom locked
TP89 "TP89" TESTPAD-TH-35mils -756.8,522.2 r180 bottom locked
TP90 "TP90" TESTPAD-TH-35mils -854.9,717 r180 bottom locked
TP91 "TP91" TESTPAD-TH-35mils -714.6,619.1 r180 bottom locked
TP92 "TP92" TESTPAD-TH-35mils -654.5,434.7 r180 bottom locked
TP93 "TP93" TESTPAD-TH-35mils -629.3,864.4 r180 bottom locked
TP94 "TP94" TESTPAD-TH-35mils -648.4,993.8 r180 bottom locked
TP95 "TP95" TESTPAD-TH-35mils -564.9,1052.4 r180 bottom locked
TP96 "TP96" TESTPAD-TH-35mils 552.8,-836.7 r180 bottom locked
TP97 "TP97" TESTPAD-TH-35mils -300.7,-730.1 r180 bottom locked
TP98 "TP98" TESTPAD-TH-35mils 5.1,-639.3 r180 bottom locked
TP99 "TP99" TESTPAD-TH-35mils 69,-13.6 r180 bottom locked
TP100 "TP100" TESTPAD-TH-1_5mm -852.7,262.8 r180 bottom locked
TP101 "TP101" TESTPAD-TH-35mils -1091.6,427.9 r180 bottom locked
TP102 "TP102" TESTPAD-TH-35mils -1153.1,335.7 r180 bottom locked
TP103 "TP103" TESTPAD-TH-35mils -1224.1,384.6 r180 bottom locked
TP104 "TP104" TESTPAD-TH-35mils -1307.7,396.1 r180 bottom locked
TP105 "TP105" TESTPAD-TH-35mils -13.5,-74.9 r180 bottom locked
TP106 "TP106" TESTPAD-TH-35mils -67,49.1 r180 bottom locked
TP107 "TP107" TESTPAD-TH-35mils -218,24.3 r180 bottom locked
TP108 "TP108" TESTPAD-TH-35mils -385.7,52.6 r180 bottom locked
TP109 "TP109" TESTPAD-TH-35mils 360.5,46.7 r180 bottom locked
TP110 "TP110" TESTPAD-TH-35mils -181.8,108.8 r180 bottom locked
TP111 "TP111" TESTPAD-TH-35mils -210.6,-115.2 r180 bottom locked
TP112 "TP112" TESTPAD-TH-35mils -315.6,-125.4 r180 bottom locked
TP113 "TP113" TESTPAD-TH-35mils -349.5,-23.8 r180 bottom locked
TP114 "TP114" TESTPAD-TH-35mils -472,46.7 r180 bottom locked
TP115 "TP115" TESTPAD-TH-35mils -297.6,-404.5 r180 bottom locked
TP116 "TP116" TESTPAD-TH-35mils -487.8,1106.12 r180 bottom locked
TP117 "TP117" TESTPAD-TH-35mils -408.8,1141.8 r180 bottom locked
TP118 "TP118" TESTPAD-TH-35mils -306,1134.6 r180 bottom locked
TP119 "TP119" TESTPAD-TH-35mils -451.9,619.3 r180 bottom locked
TP120 "TP120" TESTPAD-TH-35mils -371.7,1067 r180 bottom locked
TP121 "TP121" TESTPAD-TH-35mils -553,567.3 r180 bottom locked
TP122 "TP122" TESTPAD-TH-35mils 90.5,844.2 r180 bottom locked
TP123 "TP123" TESTPAD-TH-35mils -339.2,640.5 r180 bottom locked
TP124 "TP124" TESTPAD-TH-35mils -37,730.9 r180 bottom locked
TP125 "TP125" TESTPAD-TH-1_5mm 359.7,-397.4 r180 bottom locked
TP126 "TP126" TESTPAD-TH-35mils 263.5,-436.9 r180 bottom locked
TP127 "TP127" TESTPAD-TH-35mils 281.4,-693.5 r180 bottom locked